# Altium PCB SoBQ.PcbDoc (part 2 of 4)
Units mil, origin at the board's own origin, x right, y up, seen from the top; angles counter-clockwise.
Board outline 16169.25 x 5124.03 mil, 2 copper layers (L1, L2), stack 62.8 mil thick; 313 components, 247 nets, 1579 pads, 489 vias.
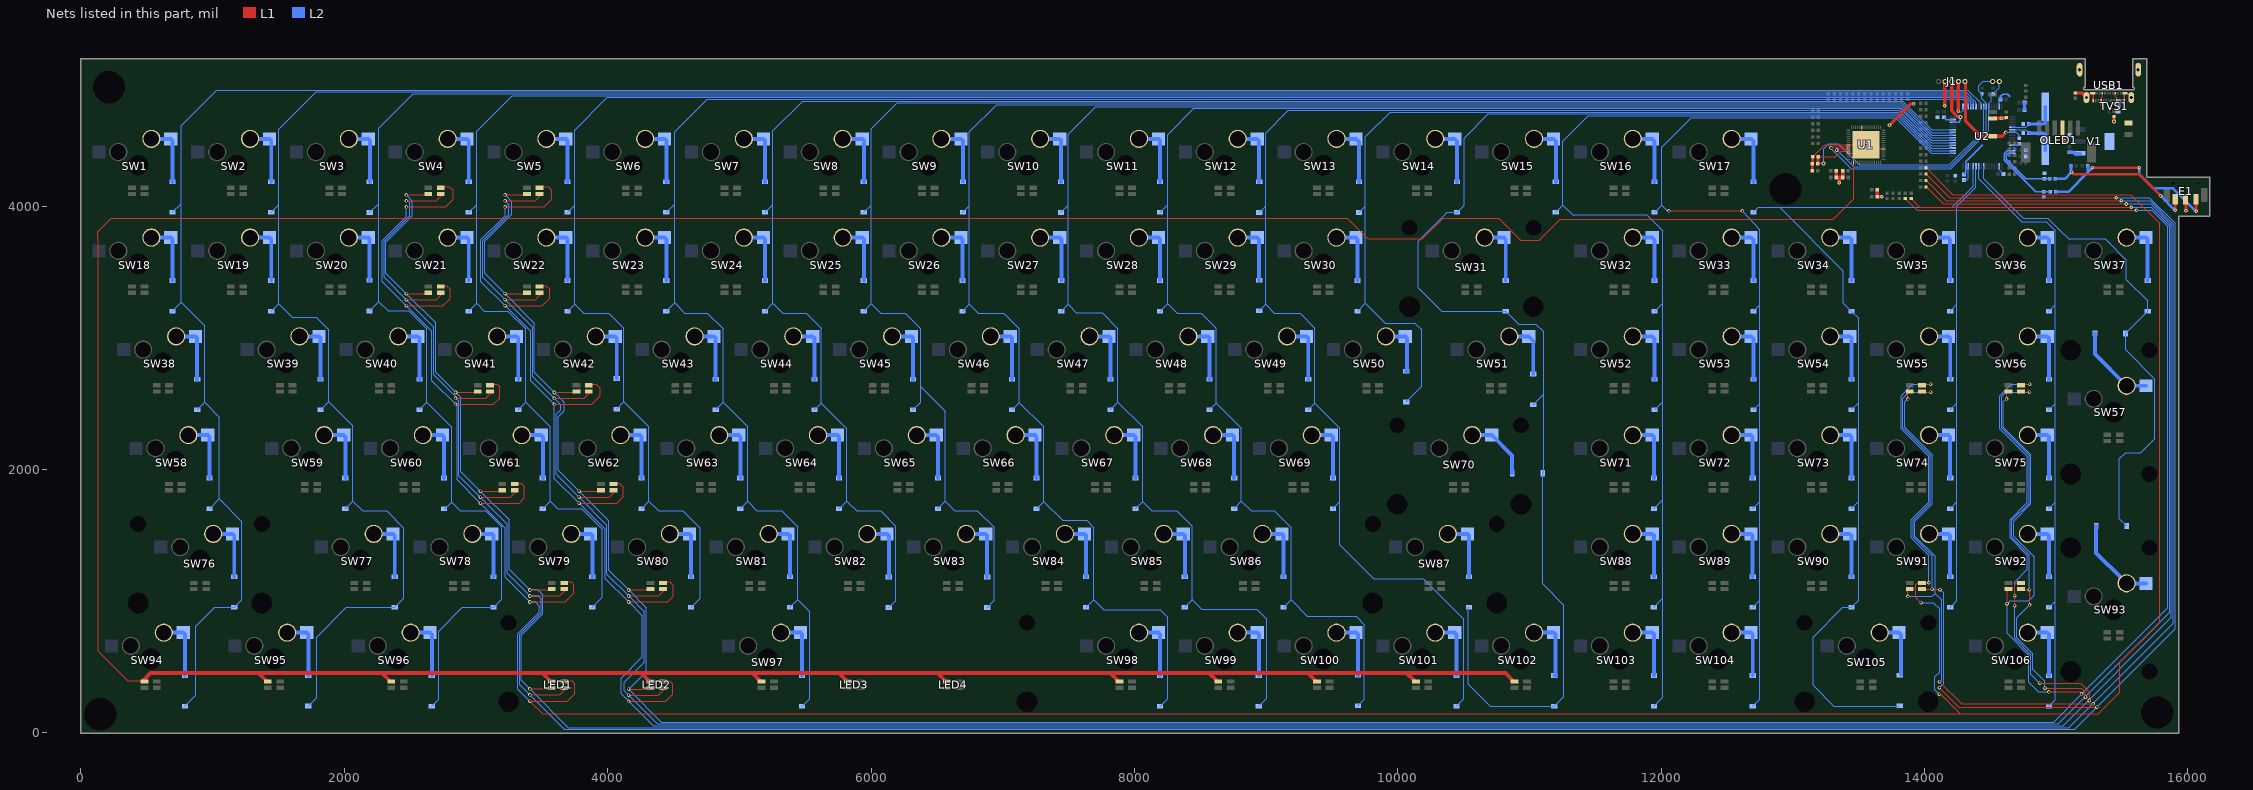
[diagram p2: the nets of this part, all layers, seen from the top]

## Via types
v1: diameter 27, hole 15, L1 to L2, 406 vias
v2: diameter 27, hole 13, L1 to L2, tented both sides, 41 vias
v3: diameter 27, hole 13, L1 to L2, 36 vias
v4: diameter 20, hole 10, L1 to L2, 4 vias
v5: diameter 30, hole 15, L1 to L2, 2 vias

## Nets (pads, with @x,y where several pads share a name; then routed paths per layer and width w, separated by ;. In a path a pad name is that pad's centre, name@x,y a point inside that pad or via, vN(x,y) a via of type N, cw(c..) or ccw(c..) an arc to the next point about the centre after c; other vN are vias at no path point) (continued)
GND: C1.1 C2.1 C3.1 C4.1 C5.1 C6.1 C7.2 C8.2 C9.1 C10.1 C11.1 C12.1 C13.1 C14.1 C15.1 C16.1 C17.1 C18.1 C19.1 C20.1 C21.1 C22.1 C23.1 C24.1 E1.C J1.2 OLED1.4 R1.2 R34.1 R35.2 R53.1 R56.2 SW110.1 TVS1.1 U1. U1.8 U1.12 U1.36 U1.55 U2.12 U2.18 U2.31 U2.47 U2.63 USB1. USB1.A1 USB1.A12 USB1.B1 USB1.B12 V1.1 V1.4 | length 3188.7
  L1 w8: R34.1@13150.72,4375.73 13214.47,4439.48 13214.8,4439.48 13228.85,4453.54 13228.85,4453.86 13241.99,4467 U1.8@13422.11,4467 v2(13555.78,4467) ; U1.12@13422.11,4404.01 13492.78,4404.01 v2(13555.78,4467) ; U1.55@13524.28,4600.66 13524.28,4498.5 v2(13555.78,4467) ; U1.36@13689.44,4435.5 13587.27,4435.5 v2(13555.78,4467) ; USB1.@15230.49,4825.92 15265.57,4861 USB1.B1@15278.6,4861 ; USB1.B12@15522.69,4861 15535.57,4861 USB1.@15570.65,4825.92
  L1 w10: USB1.B1@15278.6,4861 15282.54,4857.06 USB1.A12@15282.54,4801 ; USB1.A1@15518.76,4801 15518.76,4857.06 USB1.B12@15522.69,4861
  L1 w20: R35.2@13147.57,4270 13148.56,4270.98 C11.1@13148.56,4323.49 13150.72,4325.65 R34.1@13150.72,4375.73
  L1 w25: C12.1@13331.17,4269.85 C13.1@13331.17,4219.59 13353.61,4219.59 ; v3(13352.5,4178) 13352.5,4218.48 13353.61,4219.59 ; C15.1@13378.56,4269.9 C14.1@13378.56,4219.64 13378.51,4219.59 13353.61,4219.59 ; C20.1@13642.36,4072.63 C19.1@13642.36,4126 ; C20.1@13648.97,4073 v3(13676.5,4073) ; v2(13734.5,4616) 13895.5,4777 v2(13918.5,4777) ; v2(14155,4762.37) 14155,4945.5 J1.2@14157.5,4948 ; SW110.1@14517.5,4665.93 14520.68,4669.11 v3(14582.1,4669.11) 14614.74,4669.11 R1.2@14620,4674.37 ; OLED1.4@15048.53,4593.41 15048.53,4515.47 v3(15067,4497) ; R56.2@15145.17,4860.67 15195.74,4860.67 USB1.@15230.49,4825.92 ; v3(15439.5,4644) R53.1@15439.5,4681.33 ; E1.C@15983.26,4054 15984,4054.74 15986,4052.74 v3(15986,3964.95)
  L2 w8: U2.18@14568.45,4304.62 14568.45,4279.05 14591.36,4256.13 C4.1@14591.36,4246 ; U2.63@14568.45,4757.38 C3.1@14568.45,4812
  L2 w10: C1.1@14149.5,4675.24 14165.79,4658.95 U2.47@14214.12,4658.95 ; C18.1@14299.5,4241 14312.54,4254.05 U2.31@14312.54,4304.62 14312.54,4337.04 14441.5,4465.99 ; U2.12@14666.87,4462.1 14709.75,4462.1 14716.5,4468.85 C10.1@14716.5,4479.13
  L2 w15: C3.1@14577.63,4812 14577.63,4835.08 14593.23,4850.68 14630.71,4850.68 14646.36,4835.02
  L2 w20: C9.1@14759.5,4732 14759.5,4757 ; C6.1@14759.5,4787 14759.5,4757 ; 14759.63,4756.87 14759.5,4757 ; C17.1@14768.39,4426 C17.1@14770.16,4424.23
  L2 w25: C21.1@15101.18,4411.13 15129,4411.13 15140.13,4400 15181.51,4400 V1.1@15182.96,4401.45
NetC7_1: C7.1 U2.6 XTAL1.2 | length 384.1
  L2 w8: U2.6@14666.87,4580.21 14666.87,4579.81 14769.55,4579.81 14793.36,4556 C7.1@14793.36,4555.24
  L2 w25: C7.1@14793.36,4555.24 14904.5,4555.24 14916.5,4543.24 XTAL1.2@14916.5,4424.79
NetC8_1: C8.1 U2.5 XTAL1.1 | length 384.1
  L2 w8: U2.5@14666.87,4599.9 14666.87,4600.3 14769.55,4600.3 14793.36,4624.11 C8.1@14793.36,4624.87
  L2 w25: C8.1@14793.36,4624.87 14904.5,4624.87 14916.5,4636.87 XTAL1.1@14916.5,4755.32
NetC10_2: C10.2 J1.5 SW110.2 U2.7 | length 790.1
  L1 w25: J1.5@14307.5,4948 14311,4944.5 14311,4649.9 14428.83,4532.07 SW110.2@14517.5,4532.07 14590.45,4532.07 v2(14618.9,4560.53)
  L2 w8: v2(14618.9,4560.53) U2.7@14666.87,4560.53 14698.97,4560.53 14719.5,4540 C10.2@14719.5,4527
NetC11_2: C11.2 R34.2 U1.11 U2.57 | length 2041.7
  L1 w8: C11.2@13191.8,4325 v2(13233.5,4325) ; R34.2@13192.06,4375.73 13323.34,4375.73 13367.37,4419.76 U1.11@13422.11,4419.76
  L1 w25: C11.2@13191.8,4325 13192.06,4325.26 R34.2@13192.06,4375.73
  L2 w8: v2(13233.5,4325) 13233.5,4435 13273.5,4475 13343.5,4475 13504.96,4313.54 14188.63,4313.54 14450.34,4575.24 U2.57@14450.34,4757.38
NetC18_2: C18.2 U2.30 | length 129.5
  L2 w8: C18.2@14299.5,4199.27 14318.76,4199.27 14331.85,4212.35 U2.30@14331.85,4304.04
NetC23_2: C23.2 R57.2 U2.14 | length 570.7
  L2 w10: U2.14@14666.87,4422.73 14628.23,4422.73 14605.5,4400 14605.5,4349.37 14844.61,4110.26 R57.2@14955.73,4110.26
NetC24_2: C24.2 R58.2 U2.15 | length 478.4
  L2 w10: U2.15@14666.87,4403.05 14634.77,4403.05 14621.5,4389.77 14621.5,4356 14768.59,4208.9 R58.2@14951.73,4208.9
  L2 w20: R58.2@14951.73,4212.35 R58.2@14953.53,4210.55
NetD1_1: D1.1 D18.1 D38.1 D58.1 D76.1 D94.1 U2.56 | length 19084.2
  L2 w8: D18.1@695.29,3203.72 761,3269.43 ; D1.1@695.29,3953.72 761,4019.43 ; D94.1@789.42,203.72 872,286.3 872,811 1014.72,953.72 D76.1@1164.43,953.72 1223,1012.29 1223,1604.18 1050,1777.18 ; D38.1@882.79,2453.72 939,2509.93 ; D58.1@976.54,1703.72 1050,1777.18 ; U2.56@14430.65,4757.38 14430.65,4781.36 14329.02,4883 1032,4883 761,4612 761,4019.43 ; 761,3269.43 939,3091.43 939,2509.93 ; 761,3269.43 761,4019.43 ; 939,2509.93 1050,2398.93 1050,1777.18
NetD1_2: D1.2 SW1.2 | length 478.9
  L2 w30: SW1.2@535,4512 SW1.2@682.64,4512 695.29,4499.35 D1.2@695.29,4186
NetD2_1: D2.1 D19.1 D39.1 D59.1 D77.1 D95.1 U2.54 | length 18907.1
  L2 w8: D19.1@1445.29,3203.72 1503,3261.43 ; D2.1@1445.29,3953.72 1503,4011.43 ; D95.1@1727,204.86 1789,266.86 1789,728 2014.72,953.72 D77.1@2383.29,953.72 2452,1022.43 2452,1556.68 2321.18,1687.5 2138.43,1687.5 2065,1760.93 ; D39.1@1820.29,2453.72 1883,2516.43 ; D59.1@2007.79,1703.72 2065,1760.93 ; U2.54@14391.28,4757.38 14391.28,4791.41 14313.7,4869 1788.31,4869 1503,4583.68 1503,4011.43 ; 1503,3261.43 1605.43,3159 1787.18,3159 1883,3063.18 1883,2516.43 ; 1503,3261.43 1503,4011.43 ; 1883,2516.43 2065,2334.43 2065,1760.93
NetD2_2: D2.2 SW2.2 | length 478.9
  L2 w30: SW2.2@1285,4512 SW2.2@1432.64,4512 1445.29,4499.35 D2.2@1445.29,4186
NetD3_1: D3.1 D20.1 D40.1 D60.1 D78.1 D96.1 U2.53 | length 17972.3
  L2 w8: D20.1@2192,3204.86 2262,3274.86 ; D3.1@2194,3952.86 2262,4020.86 ; D40.1@2570.29,2453.72 2628,2511.43 ; D96.1@2664.42,203.72 2716,255.3 2716,773 2896.72,953.72 D78.1@3133.29,953.72 3194,1014.43 3194,1564.68 3072.68,1686 2882,1686 2816,1752 ; D60.1@2757.79,1703.72 2767.72,1703.72 2816,1752 ; U2.53@14371.6,4757.38 14371.6,4791.3 14307.9,4855 2523,4855 2262,4594 2262,4020.86 ; 2262,3274.86 2332,3204.86 2491.32,3204.86 2628,3068.18 2628,2511.43 ; 2262,3274.86 2262,4020.86 ; 2628,2511.43 2816,2323.43 2816,1752
NetD3_2: D3.2 SW3.2 | length 479.2
  L2 w30: SW3.2@2035,4512 SW3.2@2182.64,4512 2194,4500.64 D3.2@2194,4185.14
NetD4_1: D4.1 D21.1 D41.1 D61.1 D79.1 U2.52 | length 16098.6
  L2 w8: D21.1@2945.29,3203.72 3005,3263.43 ; D4.1@2945.29,3953.72 3005,4013.43 ; D41.1@3321,2454.86 3378,2511.86 ; D61.1@3507.79,1703.72 3564,1759.93 ; D79.1@3883.29,953.72 3960,1030.43 3960,1548.68 3804.96,1703.72 3620.21,1703.72 3564,1759.93 ; U2.52@14351.91,4757.38 14351.91,4791.19 14302.1,4841 3276,4841 3005,4570 3005,4013.43 ; 3005,3263.43 3064.71,3203.72 3242.46,3203.72 3378,3068.18 3378,2511.86 ; 3005,3263.43 3005,4013.43 ; 3378,2511.86 3564,2325.86 3564,1759.93
NetD4_2: D4.2 SW4.2 | length 478.9
  L2 w30: SW4.2@2785,4512 SW4.2@2932.64,4512 2945.29,4499.35 D4.2@2945.29,4186
NetD5_1: D5.1 D22.1 D42.1 D62.1 D80.1 U2.51 | length 15311
  L2 w8: D22.1@3695.29,3203.72 3749,3257.43 ; D5.1@3695.29,3953.72 3749,4007.43 ; D42.1@4069,2459.86 4124,2514.86 ; D62.1@4257.79,1703.72 4314,1759.93 ; D80.1@4633.29,953.72 4702,1022.43 4702,1556.68 4571.68,1687 4386.93,1687 4314,1759.93 ; U2.51@14332.23,4757.38 14332.23,4791.07 14296.3,4827 3998,4827 3749,4578 3749,4007.43 ; 3749,3257.43 3819.43,3187 4009.18,3187 4124,3072.18 4124,2514.86 ; 3749,3257.43 3749,4007.43 ; 4124,2514.86 4314,2324.86 4314,1759.93
NetD5_2: D5.2 SW5.2 | length 478.9
  L2 w30: SW5.2@3535,4512 SW5.2@3682.64,4512 3695.29,4499.35 D5.2@3695.29,4186
NetD6_1: D6.1 D23.1 D43.1 D63.1 D81.1 D97.1 U2.50 | length 15388.3
  L2 w8: D23.1@4445.29,3203.72 4508,3266.43 ; D6.1@4445.29,3953.72 4508,4016.43 ; D43.1@4820.29,2453.72 4877,2510.43 ; D63.1@5007.79,1703.72 5063,1758.93 ; 5062.46,1877.46 5063,1876.93 ; D81.1@5384,954.86 5442,1012.86 ; D97.1@5476.54,203.72 5533,260.18 5533,921.86 5442,1012.86 ; U2.50@14312.54,4757.38 14312.54,4790.96 14290.5,4813 4755,4813 4508,4566 4508,4016.43 ; 4508,3266.43 4586.43,3188 4758.22,3188 4877,3069.23 4877,2510.43 ; 4508,3266.43 4508,4016.43 ; 4877,2510.43 5063,2324.43 5063,1876.93 ; 5063,1758.93 5133.93,1688 5320.68,1688 5442,1566.68 5442,1012.86 ; 5063,1758.93 5063,1876.93
NetD6_2: D6.2 SW6.2 | length 478.9
  L2 w30: SW6.2@4285,4512 SW6.2@4432.64,4512 4445.29,4499.35 D6.2@4445.29,4186
NetD7_1: D7.1 D24.1 D44.1 D64.1 D82.1 U2.43 | length 13704.1
  L2 w8: D24.1@5195.29,3203.72 5255,3263.43 ; D7.1@5195.29,3953.72 5255,4013.43 ; D44.1@5570.29,2453.72 5621,2504.43 ; D64.1@5757.79,1703.72 5815,1760.93 ; D82.1@6135,952.86 6188,1005.86 6188,1571 6073,1686 5889.93,1686 5815,1760.93 ; U2.43@14213.74,4579.63 14053.85,4579.63 13834.48,4799 5482,4799 5255,4572 5255,4013.43 ; 5255,3263.43 5330.43,3188 5508.18,3188 5621,3075.18 5621,2504.43 ; 5255,3263.43 5255,4013.43 ; 5621,2504.43 5815,2310.43 5815,1760.93
NetD7_2: D7.2 SW7.2 | length 478.9
  L2 w30: SW7.2@5035,4512 SW7.2@5182.64,4512 5195.29,4499.35 D7.2@5195.29,4186
NetD8_1: D8.1 D25.1 D45.1 D65.1 D83.1 U2.42 | length 13077.5
  L2 w8: D25.1@5945.29,3203.72 6000,3258.43 ; D8.1@5945.29,3953.72 6000,4008.43 ; D45.1@6318,2453.86 6376,2511.86 6376,3070.18 6260.18,3186 6072.43,3186 6000,3258.43 ; 6376.93,2628.93 6564,2441.86 6564,1759.93 ; D65.1@6507.79,1703.72 6564,1759.93 ; D83.1@6882,952.86 6936,1006.86 6936,1561 6808,1689 6634.93,1689 6564,1759.93 ; U2.42@14213.74,4559.94 14053.74,4559.94 13828.69,4785 6198,4785 6000,4587 6000,4008.43 ; 6000,3258.43 6000,4008.43
NetD8_2: D8.2 SW8.2 | length 478.9
  L2 w30: SW8.2@5785,4512 SW8.2@5932.64,4512 5945.29,4499.35 D8.2@5945.29,4186
NetD9_1: D9.1 D26.1 D46.1 D66.1 D84.1 D98.1 U2.41 | length 13505.7
  L2 w8: D26.1@6695.29,3203.72 6747,3255.43 ; D9.1@6698,3954.86 6747,4003.86 ; D46.1@7071,2454.86 7126,2509.86 ; D66.1@7257.79,1703.72 7312,1757.93 ; D84.1@7633.29,953.72 7692,1012.43 ; D98.1@8195.29,203.72 8252,260.43 8252,879 8195,936 7768.43,936 7692,1012.43 ; U2.41@14213.74,4540.26 14053.63,4540.26 13822.89,4771 6953,4771 6747,4565 6747,4003.86 ; 6747,3255.43 6815.43,3187 7009.18,3187 7126,3070.18 7126,2509.86 ; 6747,3255.43 6747,4003.86 ; 7126,2509.86 7312,2323.86 7312,1757.93 ; 7312,1757.93 7455.93,1614 7638,1614 7692,1560 7692,1012.43
NetD9_2: D9.2 SW9.2 | length 478.9
  L2 w30: SW9.2@6535,4512 SW9.2@6682.64,4512 6698,4496.64 D9.2@6698,4187.14
NetD10_1: D10.1 D27.1 D47.1 D67.1 D85.1 D99.1 U2.40 | length 12751.5
  L2 w8: D10.1@7442,3952.86 7497,4007.86 ; D27.1@7445.29,3203.72 7497,3255.43 ; D47.1@7818,2454.86 7875,2511.86 ; D67.1@8007.79,1703.72 8062,1757.93 ; D85.1@8383,954.86 8440,1011.86 ; D99.1@8945.29,203.72 9004,262.43 9004,865 8930,939 8512.86,939 8440,1011.86 ; U2.40@14213.74,4520.58 14053.51,4520.58 13817.09,4757 7706,4757 7497,4548 7497,4007.86 ; 7497,3255.43 7560.43,3192 7754.18,3192 7875,3071.18 7875,2511.86 ; 7497,3255.43 7497,4007.86 ; 7875,2511.86 8062,2324.86 8062,1757.93 ; 8062,1757.93 8132.93,1687 8322,1687 8438,1571 8438,1013.86 8440,1011.86
NetD10_2: D10.2 SW10.2 | length 478.4
  L2 w30: SW10.2@7285,4512 SW10.2@7432.64,4512 7442,4502.64 D10.2@7442,4185.14
NetD11_1: D11.1 D28.1 D48.1 D68.1 D86.1 D100.1 U2.39 | length 11942.6
  L2 w8: D28.1@8195.29,3203.72 8253,3261.43 ; D11.1@8195.29,3953.72 8253,4011.43 ; D48.1@8570,2453.86 8622,2505.86 ; 8621.93,2631.93 8622,2631.86 ; D68.1@8757.79,1703.72 8813,1758.93 ; D86.1@9133.29,953.72 9190,1010.43 ; D100.1@9698,205.86 9747,254.86 9747,823 9684,886 9314.43,886 9190,1010.43 ; U2.39@14213.74,4500.89 14053.4,4500.89 13811.29,4743 8452,4743 8253,4544 8253,4011.43 ; 8253,3261.43 8326.43,3188 8508.18,3188 8622,3074.18 8622,2631.86 ; 8253,3261.43 8253,4011.43 ; 8622,2505.86 8813,2314.86 8813,1758.93 ; 8622,2505.86 8622,2631.86 ; 8813,1758.93 8885.93,1686 9063,1686 9190,1559 9190,1010.43
NetD11_2: D11.2 SW11.2 | length 478.9
  L2 w30: SW11.2@8035,4512 SW11.2@8182.64,4512 8195.29,4499.35 D11.2@8195.29,4186
NetD12_1: D12.1 D29.1 D49.1 D69.1 D101.1 U2.38 | length 11006.4
  L2 w8: D29.1@8948,3206.86 8996,3254.86 ; D12.1@8948,3952.86 8996,4000.86 ; D49.1@9320.29,2453.72 9371,2504.43 ; D69.1@9507.79,1703.72 9561,1756.93 ; D101.1@10445.29,203.72 10501,259.43 10501,864 10192,1173 9818,1173 9561,1430 9561,1756.93 ; U2.38@14213.74,4481.2 14053.28,4481.2 13805.49,4729 9170,4729 8996,4555 8996,4000.86 ; 8996,3254.86 9063.86,3187 9259.18,3187 9371,3075.18 9371,2504.43 ; 8996,3254.86 8996,4000.86 ; 9371,2504.43 9561,2314.43 9561,1756.93
NetD12_2: D12.2 SW12.2 | length 480.9
  L2 w30: SW12.2@8785,4512 SW12.2@8932.64,4512 8948,4496.64 D12.2@8948,4185.14
NetD13_1: D13.1 D30.1 D50.1 U2.37 | length 7166.1
  L2 w8: D30.1@9695.29,3203.72 9754,3262.43 ; D13.1@9706,3952.86 9754,4000.86 ; D50.1@10064,2513.86 10182,2631.86 10182,3062 10131,3113 9903.43,3113 9754,3262.43 ; U2.37@14213.74,4461.52 14053.17,4461.52 13799.69,4715 9942,4715 9754,4527 9754,4000.86 ; 9754,3262.43 9754,4000.86
NetD13_2: D13.2 SW13.2 | length 484.2
  L2 w30: SW13.2@9535,4512 SW13.2@9682.64,4512 9706,4488.64 D13.2@9706,4185.14
NetD14_1: D14.1 D31.1 D51.1 D70.1 D87.1 D102.1 U2.36 | length 10672.5
  L2 w8: D87.1@10541.79,953.72 10535,953.72 10535,370 10701.14,203.86 D102.1@11189,203.86 11262,276.86 11262,971 11101.14,1131.86 D70.1@11101.14,1973 11107,1978.86 11107,2571.86 ; D51.1@11029,2493.86 11107,2571.86 ; U2.36@14213.74,4441.84 14053.06,4441.84 13793.89,4701 10688,4701 10505,4518 10505,4007.93 D14.1@10450.79,3953.72 10375.32,3953.72 10156,3734.4 10156,3383 10335.28,3203.72 D31.1@10820.29,3203.72 10919,3105 11050,3105 11107,3048 11107,2571.86
NetD14_2: D14.2 SW14.2 | length 481.2
  L2 w30: SW14.2@10285,4512 SW14.2@10432.64,4512 10450.79,4493.85 D14.2@10450.79,4186
NetD15_1: D15.1 D32.1 D52.1 D71.1 D88.1 D103.1 U2.35 | length 8548.2
  L2 w8: D15.1@11200.79,3953.72 11255,4007.93 ; D88.1@11945,954.86 12012,1021.86 ; D71.1@11945.29,1703.72 12012,1770.43 ; D103.1@11946,203.86 12012,269.86 12012,1021.86 ; D52.1@11950.79,2453.72 12012,2514.93 ; D32.1@11950.79,3203.72 12012,3264.93 ; U2.35@14213.74,4422.15 14052.94,4422.15 13788.09,4687 11447,4687 11255,4495 11255,4007.93 ; 11255,4007.93 11327.93,3935 11890,3935 12012,3813 12012,3264.93 ; 12012,1021.86 12012,1770.43 ; 12012,1770.43 12012,2514.93 ; 12012,2514.93 12012,3264.93
NetD15_2: D15.2 SW15.2 | length 481.2
  L2 w30: SW15.2@11035,4512 SW15.2@11182.64,4512 11200.79,4493.85 D15.2@11200.79,4186
NetD16_1: D16.1 D33.1 D53.1 D72.1 D89.1 D104.1 U2.34 | length 7684.2
  L1 w8: v1(12058.93,3965) v1(12617,3965)
  L2 w8: D16.1@11950.79,3953.72 12004,4006.93 ; v1(12058.93,3965) 12045.93,3965 12004,4006.93 ; v1(12617,3965) 12749,3820 12749,3251.93 ; D89.1@12695.29,953.72 12749,1007.43 ; D72.1@12695.29,1703.72 12749,1757.43 ; D104.1@12696,203.86 12749,256.86 12749,1007.43 ; D53.1@12700.79,2453.72 12749,2501.93 ; D33.1@12700.79,3203.72 12749,3251.93 ; U2.34@14213.74,4402.47 14052.83,4402.47 13782.29,4673 12229,4673 12004,4448 12004,4006.93 ; 12749,1007.43 12749,1757.43 ; 12749,1757.43 12749,2501.93 ; 12749,2501.93 12749,3251.93
NetD16_2: D16.2 SW16.2 | length 481.2
  L2 w30: SW16.2@11785,4512 SW16.2@11932.64,4512 11950.79,4493.85 D16.2@11950.79,4186
NetD17_1: D17.1 D34.1 D54.1 D73.1 D90.1 D105.1 U2.28 | length 6849
  L2 w8: D17.1@12700.79,3953.72 12739.07,3992 12901,3992 ; D73.1@13445.29,1703.72 13501,1759.43 ; D54.1@13445.29,2453.72 13501,2509.43 ; D105.1@13813,206.86 13809.86,203.72 13313,203.72 13154,362.72 13154,726.59 13381.13,953.72 D90.1@13445.29,953.72 13501,1009.43 13501,1759.43 ; U2.28@14371.6,4304.62 14371.6,4151.1 14212.5,3992 12901,3992 ; 12901,3992 13385,3508 13385,3264 D34.1@13445.29,3203.72 13501,3148 13501,2509.43 ; 13501,1759.43 13501,2509.43
NetD17_2: D17.2 SW17.2 | length 481.2
  L2 w30: SW17.2@12535,4512 SW17.2@12682.64,4512 12700.79,4493.85 D17.2@12700.79,4186
NetD18_2: D18.2 SW18.2 | length 478.9
  L2 w30: SW18.2@535,3762 SW18.2@682.64,3762 695.29,3749.35 D18.2@695.29,3436
NetD19_2: D19.2 SW19.2 | length 478.9
  L2 w30: SW19.2@1285,3762 SW19.2@1432.64,3762 1445.29,3749.35 D19.2@1445.29,3436
NetD20_2: D20.2 SW20.2 | length 476.4
  L2 w30: SW20.2@2035,3762 SW20.2@2182.64,3762 2192,3752.64 D20.2@2192,3437.14
NetD21_2: D21.2 SW21.2 | length 478.9
  L2 w30: SW21.2@2785,3762 SW21.2@2932.64,3762 2945.29,3749.35 D21.2@2945.29,3436
NetD22_2: D22.2 SW22.2 | length 478.9
  L2 w30: SW22.2@3535,3762 SW22.2@3682.64,3762 3695.29,3749.35 D22.2@3695.29,3436
NetD23_2: D23.2 SW23.2 | length 478.9
  L2 w30: SW23.2@4285,3762 SW23.2@4432.64,3762 4445.29,3749.35 D23.2@4445.29,3436
NetD24_2: D24.2 SW24.2 | length 478.9
  L2 w30: SW24.2@5035,3762 SW24.2@5182.64,3762 5195.29,3749.35 D24.2@5195.29,3436
NetD25_2: D25.2 SW25.2 | length 478.9
  L2 w30: SW25.2@5785,3762 SW25.2@5932.64,3762 5945.29,3749.35 D25.2@5945.29,3436
NetD26_2: D26.2 SW26.2 | length 478.9
  L2 w30: SW26.2@6535,3762 SW26.2@6682.64,3762 6695.29,3749.35 D26.2@6695.29,3436
NetD27_2: D27.2 SW27.2 | length 478.9
  L2 w30: SW27.2@7285,3762 SW27.2@7432.64,3762 7445.29,3749.35 D27.2@7445.29,3436
NetD28_2: D28.2 SW28.2 | length 478.9
  L2 w30: SW28.2@8035,3762 SW28.2@8182.64,3762 8195.29,3749.35 D28.2@8195.29,3436
NetD29_2: D29.2 SW29.2 | length 476.9
  L2 w30: SW29.2@8785,3762 SW29.2@8932.64,3762 8948,3746.64 D29.2@8948,3439.14
NetD30_2: D30.2 SW30.2 | length 478.9
  L2 w30: SW30.2@9535,3762 SW30.2@9682.64,3762 9695.29,3749.35 D30.2@9695.29,3436
NetD31_2: D31.2 SW31.2 | length 478.9
  L2 w30: SW31.2@10660,3762 SW31.2@10807.64,3762 10820.29,3749.35 D31.2@10820.29,3436
NetD32_2: D32.2 SW32.2 | length 481.2
  L2 w30: SW32.2@11785,3762 SW32.2@11932.64,3762 11950.79,3743.85 D32.2@11950.79,3436
NetD33_2: D33.2 SW33.2 | length 481.2
  L2 w30: SW33.2@12535,3762 SW33.2@12682.64,3762 12700.79,3743.85 D33.2@12700.79,3436
NetD34_2: D34.2 SW34.2 | length 478.9
  L2 w30: SW34.2@13285,3762 SW34.2@13432.64,3762 13445.29,3749.35 D34.2@13445.29,3436
NetD35_1: D35.1 D55.1 D74.1 D91.1 U2.27 | length 3646.2
  L2 w8: D91.1@14195.29,953.72 14246,1004.43 14246,1754.43 ; D74.1@14195.29,1703.72 14246,1754.43 ; D35.1@14195.29,3203.72 14246,3254.43 ; D55.1@14196,2454.86 14246,2504.86 ; U2.27@14391.28,4304.62 14391.28,4145.79 14246,4000.5 14246,3254.43 ; 14246,1754.43 14246,2504.86 ; 14246,2504.86 14246,3254.43
NetD35_2: D35.2 SW35.2 | length 478.9
  L2 w30: SW35.2@14035,3762 SW35.2@14182.64,3762 14195.29,3749.35 D35.2@14195.29,3436
NetD36_1: D36.1 D56.1 D75.1 D92.1 D106.1 U2.26 | length 4739.9
  L2 w8: U2.26@14410.97,4304.62 14410.97,4210.53 14739.5,3882 14926.19,3882 14992.83,3815.35 14992.83,3251.26 ; D106.1@14945.29,203.72 14992.83,251.26 14992.83,1001.26 ; D92.1@14945.29,953.72 14992.83,1001.26 ; D75.1@14945.29,1703.72 14992.83,1751.26 ; D56.1@14945.29,2453.72 14992.83,2501.26 ; D36.1@14945.29,3203.72 14992.83,3251.26 ; 14992.83,1001.26 14992.83,1751.26 ; 14992.83,1751.26 14992.83,2501.26 ; 14992.83,2501.26 14992.83,3251.26
NetD36_2: D36.2 SW36.2 | length 478.9
  L2 w30: SW36.2@14785,3762 SW36.2@14932.64,3762 14945.29,3749.35 D36.2@14945.29,3436
NetD37_1: D37.1 D57.1 D93.1 U2.24 | length 3882.2
  L2 w8: U2.24@14450.34,4304.62 14450.34,4210.76 14751.09,3910 14937.79,3910 15020.83,3826.95 15020.83,3826.77 15095.6,3752 15372,3752 15534,3590 15534,3442.6 15695.29,3281.32 D37.1@15695.29,3203.72 15527.14,3035.57 D57.1@15527.14,3034 15527.14,2909.86 15750,2687 15750,2235 15644,2129 15529,2129 15481,2081 15481,1628.14 D93.1@15536.14,1573
NetD37_2: D37.2 SW37.2 | length 478.9
  L2 w30: SW37.2@15535,3762 SW37.2@15682.64,3762 15695.29,3749.35 D37.2@15695.29,3436
NetD38_2: D38.2 SW38.2 | length 478.9
  L2 w30: SW38.2@722.5,3012 SW38.2@870.14,3012 882.79,2999.35 D38.2@882.79,2686
NetD39_2: D39.2 SW39.2 | length 478.9
  L2 w30: SW39.2@1660,3012 SW39.2@1807.64,3012 1820.29,2999.35 D39.2@1820.29,2686
NetD40_2: D40.2 SW40.2 | length 478.9
  L2 w30: SW40.2@2410,3012 SW40.2@2557.64,3012 2570.29,2999.35 D40.2@2570.29,2686
NetD41_2: D41.2 SW41.2 | length 478
  L2 w30: SW41.2@3160,3012 SW41.2@3307.64,3012 3321,2998.64 D41.2@3321,2687.14
NetD42_2: D42.2 SW42.2 | length 472.2
  L2 w30: SW42.2@3910,3012 SW42.2@4057.64,3012 4069,3000.64 D42.2@4069,2692.14
NetD43_2: D43.2 SW43.2 | length 478.9
  L2 w30: SW43.2@4660,3012 SW43.2@4807.64,3012 4820.29,2999.35 D43.2@4820.29,2686
NetD44_2: D44.2 SW44.2 | length 478.9
  L2 w30: SW44.2@5410,3012 SW44.2@5557.64,3012 5570.29,2999.35 D44.2@5570.29,2686
NetD45_2: D45.2 SW45.2 | length 477.8
  L2 w30: SW45.2@6160,3012 SW45.2@6307.64,3012 6318,3001.64 D45.2@6318,2686.14
NetD46_2: D46.2 SW46.2 | length 478
  L2 w30: SW46.2@6910,3012 SW46.2@7057.64,3012 7071,2998.64 D46.2@7071,2687.14
NetD47_2: D47.2 SW47.2 | length 476.8
  L2 w30: SW47.2@7660,3012 SW47.2@7807.64,3012 7818,3001.64 D47.2@7818,2687.14
NetD48_2: D48.2 SW48.2 | length 478.6
  L2 w30: SW48.2@8410,3012 SW48.2@8557.64,3012 8570,2999.64 D48.2@8570,2686.14
NetD49_2: D49.2 SW49.2 | length 478.9
  L2 w30: SW49.2@9160,3012 SW49.2@9307.64,3012 9320.29,2999.35 D49.2@9320.29,2686
NetD50_2: D50.2 SW50.2 | length 427.4
  L2 w30: SW50.2@9910,3012 SW50.2@10057.64,3012 10072,2997.64 10072,2746.14 D50.2@10064,2746.14
NetD51_2: D51.2 SW51.2 | length 447.5
  L2 w30: SW51.2@10847.5,3012 SW51.2@10995.14,3012 11029,2978.14 D51.2@11029,2726.14
NetD52_2: D52.2 SW52.2 | length 481.2
  L2 w30: SW52.2@11785,3012 SW52.2@11932.64,3012 11950.79,2993.85 D52.2@11950.79,2686
NetD53_2: D53.2 SW53.2 | length 481.2
  L2 w30: SW53.2@12535,3012 SW53.2@12682.64,3012 12700.79,2993.85 D53.2@12700.79,2686
NetD54_2: D54.2 SW54.2 | length 478.9
  L2 w30: SW54.2@13285,3012 SW54.2@13432.64,3012 13445.29,2999.35 D54.2@13445.29,2686
NetD55_2: D55.2 SW55.2 | length 478
  L2 w30: SW55.2@14035,3012 SW55.2@14182.64,3012 14196,2998.64 D55.2@14196,2687.14
NetD56_2: D56.2 SW56.2 | length 478.9
  L2 w30: SW56.2@14785,3012 SW56.2@14932.64,3012 14945.29,2999.35 D56.2@14945.29,2686
NetD57_2: D57.2 SW57.2 | length 644.1
  L2 w30: D57.2@15294.86,3034 15294.86,2877.14 SW57.2@15535,2637 SW57.2@15682.64,2637
NetD58_2: D58.2 SW58.2 | length 478.9
  L2 w30: SW58.2@816.25,2262 SW58.2@963.89,2262 976.54,2249.35 D58.2@976.54,1936
NetD59_2: D59.2 SW59.2 | length 478.9
  L2 w30: SW59.2@1847.5,2262 SW59.2@1995.14,2262 2007.79,2249.35 D59.2@2007.79,1936
NetD60_2: D60.2 SW60.2 | length 478.9
  L2 w30: SW60.2@2597.5,2262 SW60.2@2745.14,2262 2757.79,2249.35 D60.2@2757.79,1936
NetD61_2: D61.2 SW61.2 | length 478.9
  L2 w30: SW61.2@3347.5,2262 SW61.2@3495.14,2262 3507.79,2249.35 D61.2@3507.79,1936
NetD62_2: D62.2 SW62.2 | length 478.9
  L2 w30: SW62.2@4097.5,2262 SW62.2@4245.14,2262 4257.79,2249.35 D62.2@4257.79,1936
NetD63_2: D63.2 SW63.2 | length 478.9
  L2 w30: SW63.2@4847.5,2262 SW63.2@4995.14,2262 5007.79,2249.35 D63.2@5007.79,1936
NetD64_2: D64.2 SW64.2 | length 478.9
  L2 w30: SW64.2@5597.5,2262 SW64.2@5745.14,2262 5757.79,2249.35 D64.2@5757.79,1936
NetD65_2: D65.2 SW65.2 | length 478.9
  L2 w30: SW65.2@6347.5,2262 SW65.2@6495.14,2262 6507.79,2249.35 D65.2@6507.79,1936
NetD66_2: D66.2 SW66.2 | length 478.9
  L2 w30: SW66.2@7097.5,2262 SW66.2@7245.14,2262 7257.79,2249.35 D66.2@7257.79,1936
NetD67_2: D67.2 SW67.2 | length 478.9
  L2 w30: SW67.2@7847.5,2262 SW67.2@7995.14,2262 8007.79,2249.35 D67.2@8007.79,1936
NetD68_2: D68.2 SW68.2 | length 478.9
  L2 w30: SW68.2@8597.5,2262 SW68.2@8745.14,2262 8757.79,2249.35 D68.2@8757.79,1936
NetD69_2: D69.2 SW69.2 | length 478.9
  L2 w30: SW69.2@9347.5,2262 SW69.2@9495.14,2262 9507.79,2249.35 D69.2@9507.79,1936
NetD70_2: D70.2 SW70.2 | length 500.8
  L2 w30: SW70.2@10566.25,2262 SW70.2@10713.89,2262 10868.86,2107.03 D70.2@10868.86,1973
NetD71_2: D71.2 SW71.2 | length 478.9
  L2 w30: SW71.2@11785,2262 SW71.2@11932.64,2262 11945.29,2249.35 D71.2@11945.29,1936
NetD72_2: D72.2 SW72.2 | length 478.9
  L2 w30: SW72.2@12535,2262 SW72.2@12682.64,2262 12695.29,2249.35 D72.2@12695.29,1936
NetD73_2: D73.2 SW73.2 | length 478.9
  L2 w30: SW73.2@13285,2262 SW73.2@13432.64,2262 13445.29,2249.35 D73.2@13445.29,1936
NetD74_2: D74.2 SW74.2 | length 478.9
  L2 w30: SW74.2@14035,2262 SW74.2@14182.64,2262 14195.29,2249.35 D74.2@14195.29,1936
NetD75_2: D75.2 SW75.2 | length 478.9
  L2 w30: SW75.2@14785,2262 SW75.2@14932.64,2262 14945.29,2249.35 D75.2@14945.29,1936
NetD76_2: D76.2 SW76.2 | length 478.9
  L2 w30: SW76.2@1004.14,1512 SW76.2@1151.78,1512 1164.43,1499.35 D76.2@1164.43,1186
NetD77_2: D77.2 SW77.2 | length 478.9
  L2 w30: SW77.2@2223,1512 SW77.2@2370.64,1512 2383.29,1499.35 D77.2@2383.29,1186
NetD78_2: D78.2 SW78.2 | length 478.9
  L2 w30: SW78.2@2973,1512 SW78.2@3120.64,1512 3133.29,1499.35 D78.2@3133.29,1186
NetD79_2: D79.2 SW79.2 | length 478.9
  L2 w30: SW79.2@3723,1512 SW79.2@3870.64,1512 3883.29,1499.35 D79.2@3883.29,1186
NetD80_2: D80.2 SW80.2 | length 478.9
  L2 w30: SW80.2@4473,1512 SW80.2@4620.64,1512 4633.29,1499.35 D80.2@4633.29,1186
NetD81_2: D81.2 SW81.2 | length 478
  L2 w30: SW81.2@5223,1512 SW81.2@5370.64,1512 5384,1498.64 D81.2@5384,1187.14
NetD82_2: D82.2 SW82.2 | length 480.4
  L2 w30: SW82.2@5973,1512 SW82.2@6120.64,1512 6135,1497.64 D82.2@6135,1185.14
NetD83_2: D83.2 SW83.2 | length 479.2
  L2 w30: SW83.2@6723,1512 SW83.2@6870.64,1512 6882,1500.64 D83.2@6882,1185.14
NetD84_2: D84.2 SW84.2 | length 478.9
  L2 w30: SW84.2@7473,1512 SW84.2@7620.64,1512 7633.29,1499.35 D84.2@7633.29,1186
NetD85_2: D85.2 SW85.2 | length 477.6
  L2 w30: SW85.2@8223,1512 SW85.2@8370.64,1512 8383,1499.64 D85.2@8383,1187.14
NetD86_2: D86.2 SW86.2 | length 478.9
  L2 w30: SW86.2@8973,1512 SW86.2@9120.64,1512 9133.29,1499.35 D86.2@9133.29,1186
NetD87_2: D87.2 SW87.2 | length 478.9
  L2 w30: SW87.2@10381.5,1512 SW87.2@10529.14,1512 10541.79,1499.35 D87.2@10541.79,1186
NetD88_2: D88.2 SW88.2 | length 477.6
  L2 w30: SW88.2@11785,1512 SW88.2@11932.64,1512 11945,1499.64 D88.2@11945,1187.14
NetD89_2: D89.2 SW89.2 | length 478.9
  L2 w30: SW89.2@12535,1512 SW89.2@12682.64,1512 12695.29,1499.35 D89.2@12695.29,1186
NetD90_2: D90.2 SW90.2 | length 478.9
  L2 w30: SW90.2@13285,1512 SW90.2@13432.64,1512 13445.29,1499.35 D90.2@13445.29,1186
NetD91_2: D91.2 SW91.2 | length 478.9
  L2 w30: SW91.2@14035,1512 SW91.2@14182.64,1512 14195.29,1499.35 D91.2@14195.29,1186
NetD92_2: D92.2 SW92.2 | length 478.9
  L2 w30: SW92.2@14785,1512 SW92.2@14932.64,1512 14945.29,1499.35 D92.2@14945.29,1186
NetD93_2: D93.2 SW93.2 | length 628.9
  L2 w30: D93.2@15303.86,1573 15303.86,1368.14 SW93.2@15499.32,1172.68 ; SW93.2@15535,1137 SW93.2@15682.64,1137
NetD94_2: D94.2 SW94.2 | length 478.9
  L2 w30: SW94.2@629.13,762 SW94.2@776.77,762 789.42,749.35 D94.2@789.42,436
NetD95_2: D95.2 SW95.2 | length 477.8
  L2 w30: SW95.2@1566.63,762 SW95.2@1714.27,762 1727,749.27 D95.2@1727,437.14
NetD96_2: D96.2 SW96.2 | length 478.9
  L2 w30: SW96.2@2504.13,762 SW96.2@2651.77,762 2664.42,749.35 D96.2@2664.42,436
NetD97_2: D97.2 SW97.2 | length 478.9
  L2 w30: SW97.2@5316.25,762 SW97.2@5463.89,762 5476.54,749.35 D97.2@5476.54,436
NetD98_2: D98.2 SW98.2 | length 478.9
  L2 w30: SW98.2@8035,762 SW98.2@8182.64,762 8195.29,749.35 D98.2@8195.29,436
NetD99_2: D99.2 SW99.2 | length 478.9
  L2 w30: SW99.2@8785,762 SW99.2@8932.64,762 8945.29,749.35 D99.2@8945.29,436
NetD100_2: D100.2 SW100.2 | length 477.9
  L2 w30: SW100.2@9535,762 SW100.2@9682.64,762 9698,746.64 D100.2@9698,438.14
NetD101_2: D101.2 SW101.2 | length 478.9
  L2 w30: SW101.2@10285,762 SW101.2@10432.64,762 10445.29,749.35 D101.2@10445.29,436
NetD102_2: D102.2 SW102.2 | length 487.4
  L2 w30: SW102.2@11035,762 SW102.2@11182.64,762 11197,747.64 11197,436.14 D102.2@11189,436.14
NetD103_2: D103.2 SW103.2 | length 479
  L2 w30: SW103.2@11785,762 SW103.2@11932.64,762 11946,748.64 D103.2@11946,436.14
NetD104_2: D104.2 SW104.2 | length 479
  L2 w30: SW104.2@12535,762 SW104.2@12682.64,762 12696,748.64 D104.2@12696,436.14
NetD105_2: D105.2 SW105.2 | length 470.7
  L2 w30: SW105.2@13660,762 SW105.2@13807.64,762 13821,748.64 D105.2@13821,444.5
NetD106_2: D106.2 SW106.2 | length 478.9
  L2 w30: SW106.2@14785,762 SW106.2@14932.64,762 14945.29,749.35 D106.2@14945.29,436
NetE1_A: E1.A R54.1 R57.1 | length 1450.2
  L1 w20: v2(15275,4293) v3(15632,4293) ; E1.A@16062,4054 16062,3963 v3(16063,3962)
  L2 w20: R57.1@14997.07,4110.26 15092.26,4110.26 15239.67,4257.67 ; R54.1@15239.67,4307 15239.67,4257.67 ; v2(15275,4293) 15239.67,4257.67 ; v3(15632,4293) 15632,4242.23 15738.23,4136 15889,4136 v3(16063,3962)
NetE1_B: E1.B R55.1 R58.1 | length 1186.7
  L1 w20: v2(15118.5,4260) 15135.5,4243 15631.23,4243 v3(15793.23,4081) ; v3(15904.52,3969.71) E1.B@15904.52,4054
  L2 w20: R58.1@14993.07,4208.9 15067.4,4208.9 v2(15118.5,4260) 15112.46,4266.04 R55.1@15112.46,4307 ; v3(15793.23,4081) v3(15904.52,3969.71)
NetF1_1: F1.1 TVS1.4 USB1.A4 USB1.A9 USB1.B4 USB1.B9 | length 234.4
  L1 w8: 15341.59,4768.09 USB1.A9@15341.59,4801 15341.59,4823.42 15350.17,4832 15350.17,4846.7 15351.43,4847.96 USB1.B4@15351.43,4848.78 ; USB1.B9@15449.86,4861 USB1.B9@15449.86,4857.22 15449.86,4832.84 15459.7,4823 USB1.A4@15459.7,4801 15459.7,4762.17
  L2 w20: TVS1.4@15477.42,4801.5 15478.5,4800.42 v3(15478.5,4755.25)
NetJ1_3: J1.3 U2.46 | length 402.1
  L1 w25: J1.3@14207.5,4948 14207.5,4724 14252.09,4679.41 v5(14274.5,4679.41)
  L2 w10: U2.46@14213.74,4638.68 U2.46@14214.12,4638.68 ; U2.46@14214.12,4639.27 14260.39,4639.27 14273.5,4652.37 14273.5,4678.41 v5(14274.5,4679.41)
NetJ1_4: J1.4 U2.49 | length 296.9
  L1 w25: v2(14257.5,4723) J1.4@14257.5,4948
  L2 w8: v2(14257.5,4723) 14262.5,4718 14284.5,4718 14292.86,4726.36 U2.49@14292.86,4757.38
NetJ2_1: J2.1 R46.1 U1.9 U2.59 | length 1931.3
  L1 w8: v1(13288.5,4443.26) 13292.75,4443.26 13300.75,4451.25 U1.9@13422.11,4451.25
  L2 w8: v1(13288.5,4443.26) 13288.5,4439.27 13442.23,4285.54 14200.23,4285.54 14489.71,4575.01 U2.59@14489.71,4757.38 14489.71,4781.48 14507.5,4799.27 14507.5,4838.16 R46.1@14523.34,4854 14568.5,4899.16 J2.1@14568.5,4948
NetJ2_2: J2.2 R51.1 U1.10 U2.58 | length 1893.2
  L1 w8: v1(13333.5,4427.5) 13333.99,4427.5 13342,4435.5 U1.10@13422.11,4435.5
  L1 w25: J2.2@14518.5,4944 J2.2@14518.5,4948
  L2 w8: v1(13333.5,4427.5) 13461.46,4299.54 14194.43,4299.54 14470.02,4575.13 U2.58@14470.02,4757.38 14470.02,4781.47 14436.72,4814.77 R51.1@14436.72,4854 14412.5,4878.23 14412.5,4914 14446.5,4948 J2.2@14518.5,4948 J2.2@14529.29,4948
NetLED1_A: LED1.A LED2.A LED3.A LED4.A SW94.A SW95.A SW96.A SW97.A SW98.A SW99.A SW100.A SW101.A SW102.A U1.17 | length 28972.1
  L1 w8: SW94.A@470.07,397 356,397 128,625 128,3758 128,3806.37 218.63,3897 218.8,3897 230.8,3909 9617.2,3909 9774.2,3752 10187.8,3752 10344.8,3909 10768.2,3909 10934.2,3743 11075.8,3743 11235.8,3903 13308.3,3903 13461.29,4055.99 U1.17@13461.29,4333.34
  L1 w30: SW94.A@470.07,397 529.07,456 1348.57,456 ; SW95.A@1407.57,397 1348.57,456 ; SW96.A@2345.07,397 2286.07,456 ; LED1.A@3563.94,397 3504.94,456 ; LED2.A@4313.94,397 4254.94,456 ; SW97.A@5157.19,397 5098.19,456 ; LED3.A@5813.94,397 5754.94,456 ; LED4.A@6563.94,397 6504.94,456 ; SW98.A@7875.94,397 7816.94,456 ; SW99.A@8625.94,397 8566.94,456 ; SW100.A@9375.94,397 9316.94,456 ; SW101.A@10125.94,397 10066.94,456 ; SW102.A@10875.94,397 10816.94,456 10066.94,456 ; 1348.57,456 2286.07,456 ; 2286.07,456 3504.94,456 ; 3504.94,456 4254.94,456 ; 4254.94,456 5098.19,456 ; 5098.19,456 5754.94,456 ; 5754.94,456 6504.94,456 ; 6504.94,456 7816.94,456 ; 7816.94,456 8566.94,456 ; 8566.94,456 9316.94,456 ; 9316.94,456 10066.94,456
NetLED1_B: LED1.B R33.1 SW4.B SW21.B SW41.B SW55.B SW61.B SW79.B SW91.B | length 28580.6
  L1 w8: v1(2471,3244.98) 2748.98,3244.98 2803,3299 2803,3368 2774,3397 SW21.B@2744.05,3397 ; v1(2471,3994.98) 2769.98,3994.98 2827,4052 2827,4121 2798,4150 SW4.B@2747.05,4150 ; v1(2846,2494.98) 3132.98,2494.98 3179,2541 3179,2629 3161,2647 SW41.B@3119.05,2647 ; v1(3033.5,1744.98) 3327.98,1744.98 3368,1785 3368,1873 3344,1897 SW61.B@3306.55,1897 ; v1(3409,994.98) 3678.98,994.98 3744,1060 3744,1125 3722,1147 SW79.B@3682.05,1147 ; LED1.B@3682.05,397 3684.05,395 3726,395 3750.94,370.06 3750.94,298.94 3694,242 v1(3409,242) 3506,145 14273,145 ; v1(13974,990) 13935,1029 13935,1127 13948.35,1140.35 SW91.B@13982.24,1140.35 14033.35,1140.35 v3(14034,1141) ; SW55.B@13993.05,2646 13997.05,2650 v1(14047,2650) ; R33.1@14012.11,4293.62 14216.73,4089 15566.23,4089 15785,3870.23 15785,837 15484,536 15484,309 15320,145 14273,145 ; v1@14123,295 14273,145
  L2 w8: v1(2471,3994.98) 2471,3921.6 2288,3738.6 2288,3427.98 v1(2471,3244.98) 2665,3050.98 2665,2675.98 v1(2846,2494.98) 2856,2484.98 2856,1922.48 v1(3033.5,1744.98) 3223,1555.48 3223,1180.98 v1(3409,994.98) 3450.02,994.98 3481,964 3481,918.6 3317,754.6 3317,334 v1(3409,242) ; v1(13974,990) 14068,990 14116,942 14116,462 14080,426 14080,329 v1(14114,295) ; v3(14034,1141) 14034,1349 13900,1483 13900,1621 14031,1752 14031,2102 13822,2311 13822,2562.8 13909.2,2650 v1(14047,2650)
NetLED1_G: LED1.G R36.1 SW4.G SW21.G SW41.G SW55.G SW61.G SW79.G SW91.G | length 28367.9
  L1 w8: v1(2471,3290.48) 2698.55,3290.48 SW21.G@2744.05,3335.98 ; v1(2471,4040.48) 2698.55,4040.48 SW4.G@2744.05,4085.98 ; v1(2846,2540.48) 3073.55,2540.48 SW41.G@3119.05,2585.98 ; v1(3033.5,1790.48) 3261.05,1790.48 SW61.G@3306.55,1835.98 ; v1(3409,289.5) 3635.58,289.5 LED1.G@3682.05,335.98 ; v1(3409,1040.48) 3636.55,1040.48 SW79.G@3682.05,1085.98 ; SW91.G@13997.08,1089 14000.08,1092 v1(14058,1092) 14115,1092 v1(14118,1089) ; SW55.G@13997.08,2589 v1(14047,2589) ; R36.1@14012.11,4244.69 14191.59,4065.21 v2(15456.21,4065.21) ; v1(14114,344) 14261,197 v1(15310,197)
  L2 w8: v1(2471,4040.48) 2483.52,4040.48 2496,4028 2496,3926.8 2302,3732.8 2302,3459.48 v1(2471,3290.48) 2679,3082.48 2679,2719.74 2846,2552.74 v1(2846,2540.48) 2869,2517.48 2869,2505.21 2869.5,2504.71 2869.5,2491.27 2870,2490.77 2870,1953.98 v1(3033.5,1790.48) 3237,1586.98 3237,1212.48 v1(3409,1040.48) 3471.52,1040.48 3495,1017 3495,912.8 3331,748.8 3331,367.5 v1(3409,289.5) 3671,27.5 15140.5,27.5 v1(15310,197) 15904,791 15904,3870.03 15708.81,4065.21 v2(15456.21,4065.21) ; v1(14047,2589) 13881,2589 13836,2544 13836,2316.8 14045,2107.8 14045,1746.2 13914,1615.2 13914,1488.8 14058,1344.8 v1(14058,1092) ; v1(14114,344) 14146,376 14146,1065 14118,1093 v1(14118,1089)
NetLED1_R: LED1.R R37.1 SW4.R SW21.R SW41.R SW55.R SW61.R SW79.R SW91.R | length 27305.8
  L1 w8: v1(2471,3335.98) SW21.R@2625.94,3335.98 ; v1(2471,4085.98) SW4.R@2625.94,4085.98 ; v1(2846,2585.98) SW41.R@3000.94,2585.98 ; v1(3033.5,1835.98) SW61.R@3188.44,1835.98 ; v1(3409,335) 3562.97,335 LED1.R@3563.94,335.98 ; v1(3409,1085.98) SW79.R@3563.94,1085.98 ; v1(13874,1038) SW91.R@13874,1079.97 ; v1(13874,2538) SW55.R@13874,2579.97 ; R37.1@14012.11,4195.77 14166.88,4041 v2@15486,4041 ; v1(14114,390) 14282.52,221.48 15276.48,221.48 v1@15282,227
  L2 w8: v1(2471,4085.98) 2518,4038.98 2518,3929 2316,3727 2316,3490.98 v1(2471,3335.98) 2693,3113.98 2693,2738.98 v1(2846,2585.98) 2884,2547.98 2884,1985.48 v1(3033.5,1835.98) 3251,1618.48 3251,1243.98 v1(3409,1085.98) 3413.02,1090 3467,1090 3509,1048 3509,907 3345,743 3345,399 v1(3409,335) 3702.5,41.5 15096.5,41.5 15890,835 15890,3864.23 15713.42,4040.8 15494.99,4040.8 v2(15494.54,4041.26) ; v1(13874,1038) 14061,1038 14082,1059 ; v1(13874,2538) 13850,2514 13850,2322.6 14059,2113.6 14059,1740.4 13928,1609.4 13928,1494.6 14082,1340.6 14082,1059 ; v1@14123,390 14130,397 14130,1011 14082,1059
  other v1: 15281,222
NetLED2_B: LED2.B R38.1 SW5.B SW22.B SW42.B SW56.B SW62.B SW80.B SW92.B | length 28037.3
  L1 w8: v1(3221,3244.98) 3501.98,3244.98 3559,3302 3559,3369 3531,3397 SW22.B@3494.05,3397 ; v1(3221,3994.98) 3519.98,3994.98 3577,4052 3577,4121 3548,4150 SW5.B@3497.05,4150 ; v1(3596,2494.98) 3878.98,2494.98 3944,2560 3944,2617 3914,2647 SW42.B@3869.05,2647 ; v1(3783.5,1744.98) 4068.98,1744.98 4120,1796 4120,1866 4089,1897 SW62.B@4056.55,1897 ; v3(4159,240) 4441,240 4494,293 4494,371 4468,397 LED2.B@4432.05,397 ; v1(4159,994.98) 4454.98,994.98 4500,1040 4500,1119 4472,1147 SW80.B@4432.05,1147 ; R38.1@14012.11,4146.85 14141.66,4017.3 v2(15532.86,4017.3) ; v1(14685,968) v1(14685,1043) 14685,1126 14699.35,1140.35 SW92.B@14732.24,1140.35 ; SW56.B@14743.05,2646 14746.05,2649 v1(14798,2649) ; v1(14876,378) 14877,377 15185.27,377 15255,307.27 v1@15255,257 ; v2@15528.5,4017.5 v2@15530,4019
  L2 w8: v1(3221,3994.98) 3221,3927.6 3038,3744.6 3038,3427.98 v1(3221,3244.98) 3416,3049.98 3416,2674.98 v1(3596,2494.98) 3596,1932.48 v1(3783.5,1744.98) 3981,1547.48 3981,1172.98 v1(4159,994.98) 4263,890.98 4263,578 4102,417 4102,299 4345.5,55.5 15053.5,55.5 15876,878 15876,3858.43 15717.12,4017.3 v2(15532.86,4017.3) ; v1(14685,968) 14685,717.8 14807,595.8 14807,447 v1(14876,378) ; v1(14685,1043) 14685,1146 14782,1243 14782,1350 14650,1482 14650,1621 14781,1752 14781,2103 14572,2312 14572,2562.8 14658.2,2649 v1(14798,2649) ; v2@15530,4019 v2@15532.86,4019
  other v1: 15252,247
NetLED2_G: LED2.G R44.2 SW5.G SW22.G SW42.G SW56.G SW62.G SW80.G SW92.G | length 26560.8
  L1 w8: v1(3221,3290.48) 3448.55,3290.48 SW22.G@3494.05,3335.98 ; v1(3221,4040.48) 3448.55,4040.48 SW5.G@3494.05,4085.98 ; v1(3596,2540.48) 3823.55,2540.48 SW42.G@3869.05,2585.98 ; v1(3783.5,1790.48) 4011.05,1790.48 SW62.G@4056.55,1835.98 ; v1(4159,287.5) 4383.58,287.5 LED2.G@4432.05,335.98 ; v1(4159,1040.48) 4386.55,1040.48 SW80.G@4432.05,1085.98 ; R44.2@13899.39,4058.69 13966.08,3992 15558.5,3992 v2@15560,3993.5 ; SW92.G@14747.08,1089 v1(14797,1089) 14798,1088 v1(14798,973) ; SW56.G@14747.08,2589 v1(14797,2589) ; v1(14915.29,340) 15190,340 15222,308 v1@15222,276
  L2 w8: v1(3221,4040.48) 3248,4013.48 3248,3934.8 3052,3738.8 3052,3459.48 v1(3221,3290.48) 3430,3081.48 3430,2706.48 v1(3596,2540.48) 3645,2491.48 3645,2454 3611,2420 3611,1961.98 ; 3612,1961.98 v1(3783.5,1790.48) 3995,1578.98 3995,1204.48 v1(4159,1040.48) 4277,922.48 4277,538.18 4278,537.18 4125,384.18 4125,321.5 v1(4159,287.5) 4377,69.5 15015.5,69.5 15862,916 15862,3852.63 15721.13,3993.5 v2@15560,3993.5 ; v1(14797,1089) 14797,1354.8 14664,1487.8 14664,1615.2 14795,1746.2 14795,2108.8 14586,2317.8 14586,2557 14618,2589 v1(14797,2589) ; v1(14798,973) 14699,874 14699,723.6 14821,601.6 14821,485.58 14915.29,391.29 v1(14915.29,340)
  other v1: 15223,272
  other v2: 15571.18,3993.35
NetLED2_R: LED2.R R43.2 SW5.R SW22.R SW42.R SW56.R SW62.R SW80.R SW92.R | length 25705.2
  L1 w8: v1(3221,3335.98) SW22.R@3375.94,3335.98 ; v1(3221,4085.98) SW5.R@3375.94,4085.98 ; v1(3596,2585.98) SW42.R@3750.94,2585.98 ; v1(3783.5,1835.98) SW62.R@3938.44,1835.98 ; v1(4159,333) 4310.97,333 LED2.R@4313.94,335.98 ; v1(4159,1085.98) SW80.R@4313.94,1085.98 ; R43.2@13853.39,4058.69 13944.08,3968 15596,3968 v2@15598,3970 ; SW92.R@14624,1079.97 14627,1076.97 v1(14627,982) ; v1(14624,2538) SW56.R@14624,2579.97 ; v1(14945.29,313) 15178,313 v1(15194,297)
  L2 w8: v1(3221,4085.98) 3272,4035.02 3272,3939 3066,3733 3066,3490.98 v1(3221,3335.98) 3444,3113.02 3444,2737.98 v1(3596,2585.98) 3671,2510.98 3671,2446 3625,2400 3625,1994.48 v1(3783.5,1835.98) 4009,1610.48 4009,1235.98 v1(4159,1085.98) 4292,952.98 4292,466 v1(4159,333) 4408.5,83.5 14980.5,83.5 v1(15194,297) 15848,951 15848,3846.83 15725.44,3969.39 v2(15609.5,3969.39) ; v1(14624,2538) 14600,2514 14600,2323.6 14809,2114.6 14809,1740.4 14678,1609.4 14678,1493.6 14832,1339.6 14832,1045 14792,1005 14650,1005 v1(14627,982) 14627,756 14793,590 14793,386 14866,313 v1(14945.29,313) ; v2@15598,3970 v2@15609.5,3970